# Altium PCB Copy of Motor_Driver_3_Phase.PcbDoc (part 3 of 3)
Units mm, origin at the board's own origin, x right, y up, seen from the top; angles counter-clockwise.
Board outline 253 x 311.5 mm, 4 copper layers (Top Layer, Layer 1, Layer 2, Bottom Layer), stack 0.604 mm thick; 362 components, 245 nets, 1054 pads, 775 vias.
Unrouted connection lines stored in the file: 100.
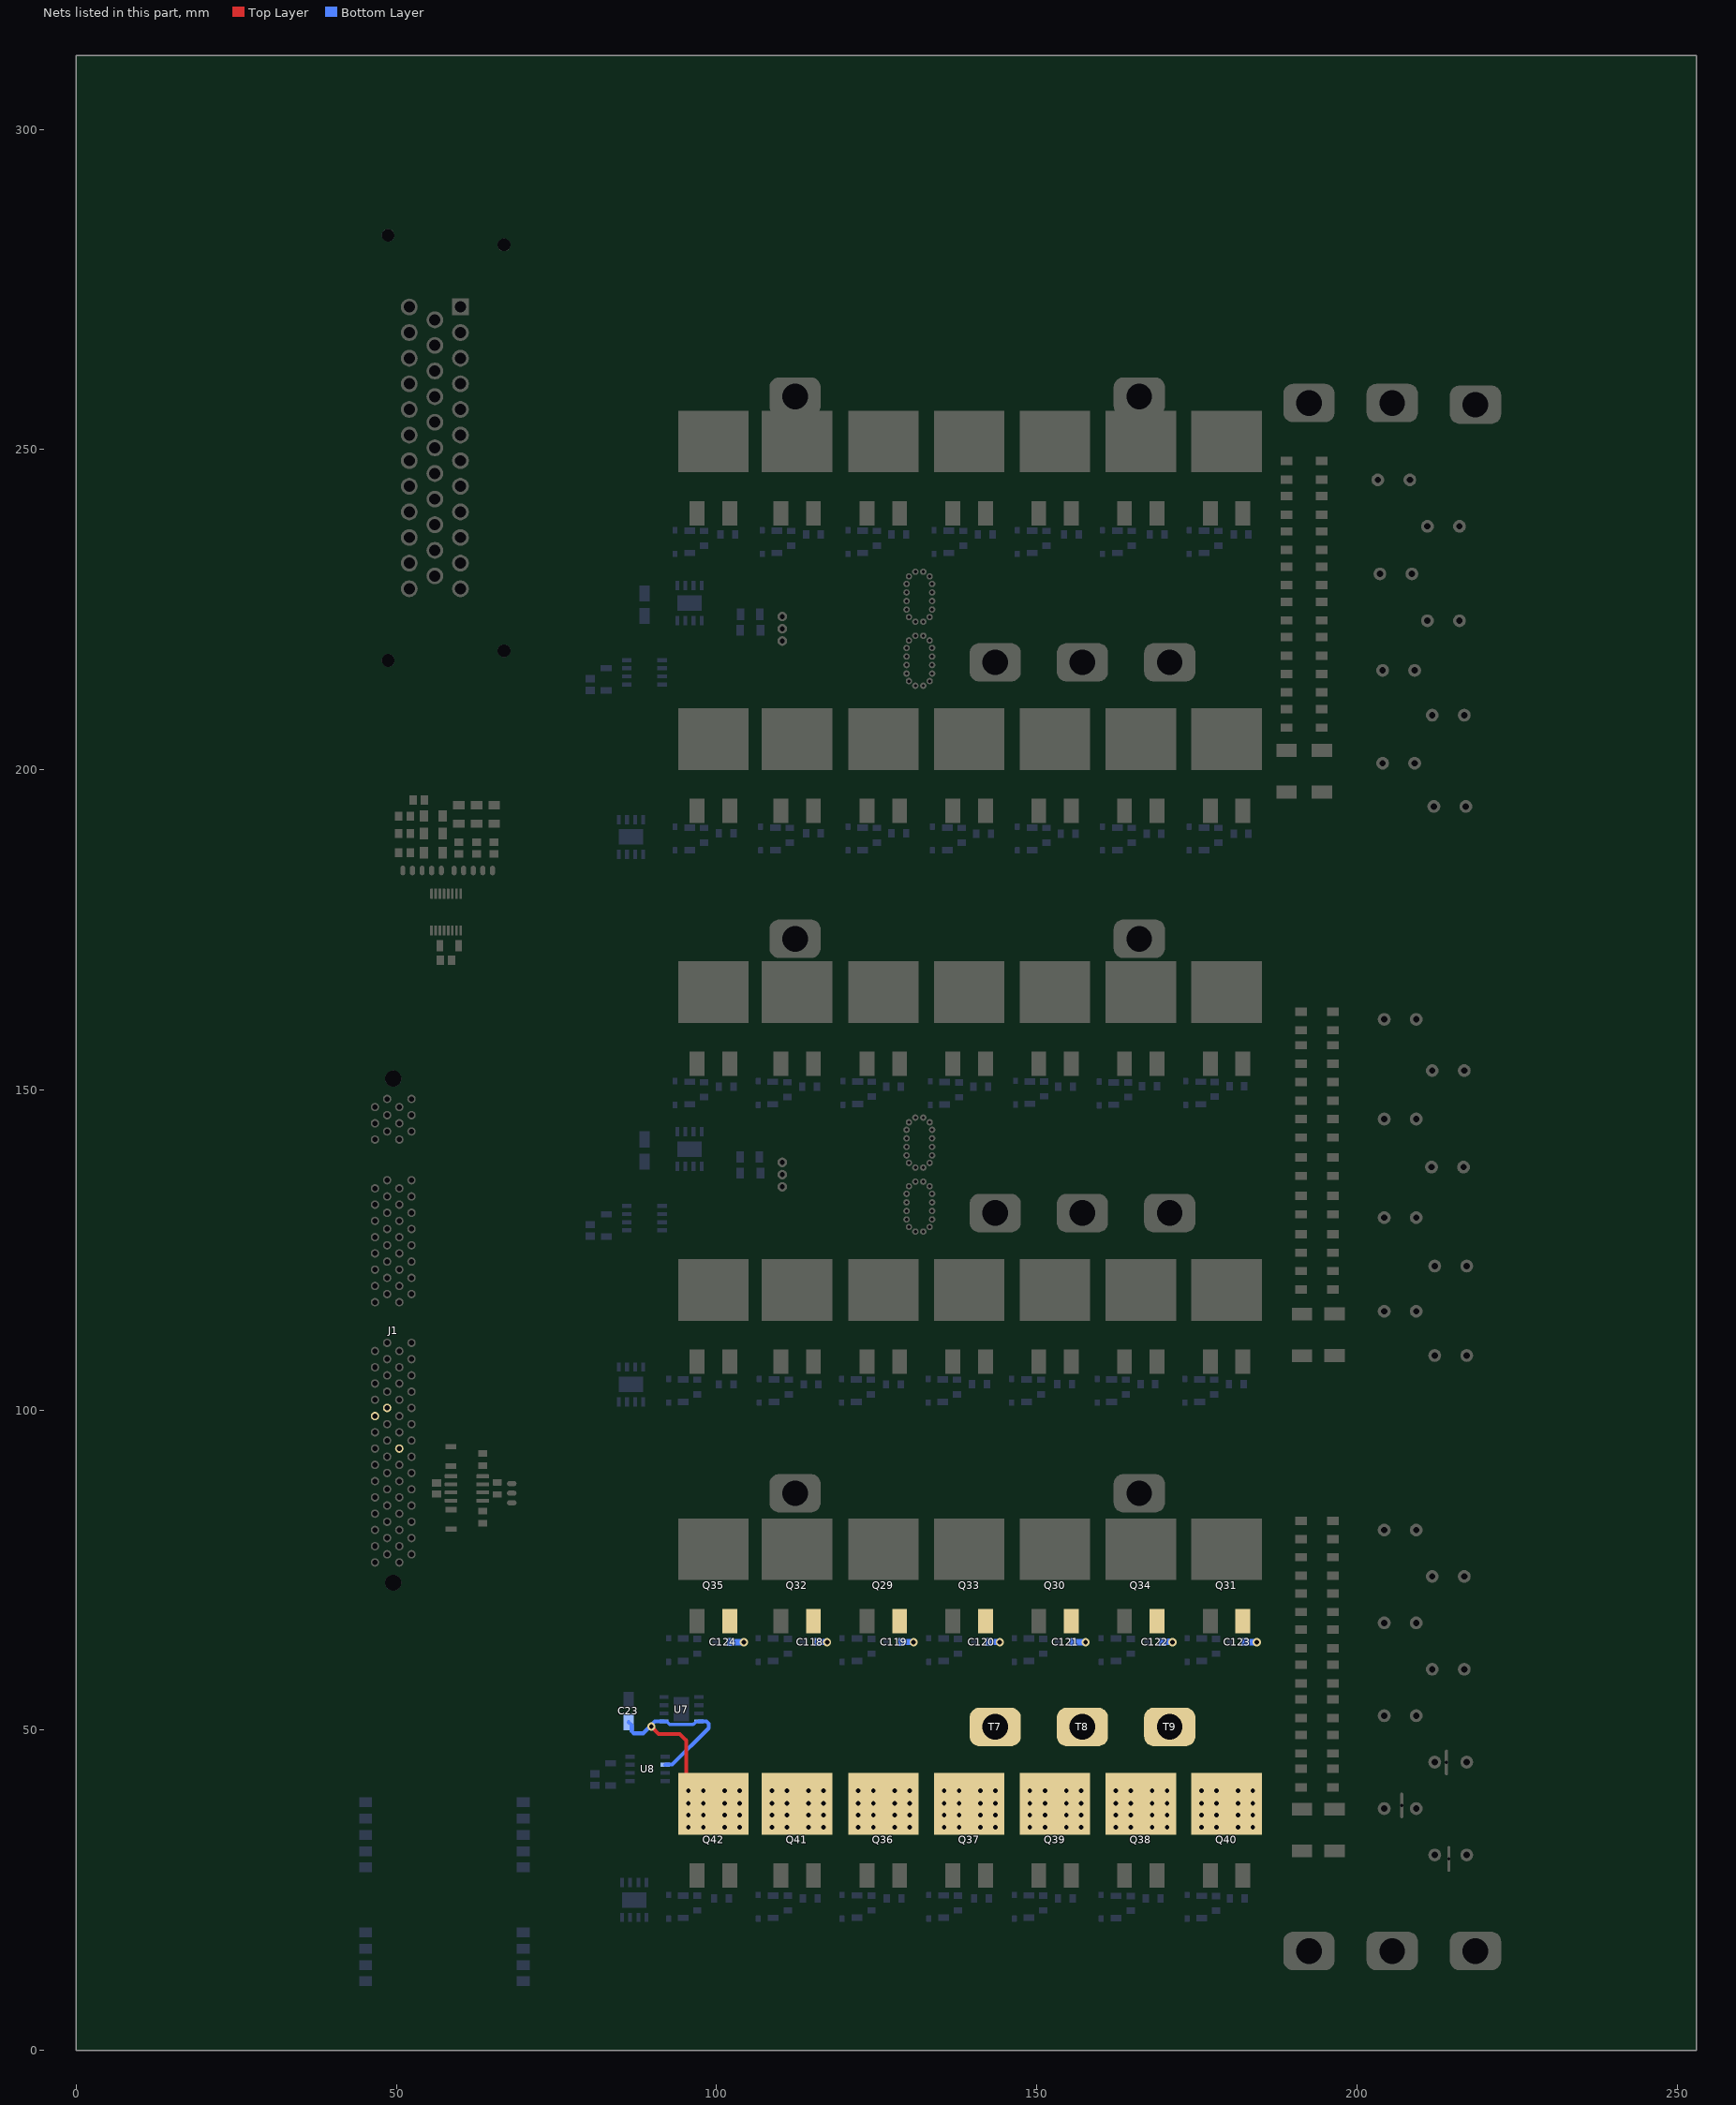
[diagram p5: the nets of this part, all layers, seen from the top]

## Via types
v1: diameter 1.27, hole 0.711, Top Layer to Bottom Layer, 775 vias

## Nets (pads, with @x,y where several pads share a name; then routed paths per layer and width w, separated by ;. In a path a pad name is that pad's centre, name@x,y a point inside that pad or via, vN(x,y) a via of type N, cw(c..) or ccw(c..) an arc to the next point about the centre after c; other vN are vias at no path point) (continued)
Source_3: C23.2 C118.1 C119.1 C120.1 C121.1 C122.1 C123.1 C124.1 Q29.2 Q30.2 Q31.2 Q32.2 Q33.2 Q34.2 Q35.2 Q36.3 Q37.3 Q38.3 Q39.3 Q40.3 Q41.3 Q42.3 T7.1 T8.1 T9.1 U7.4 U7.5 U8.6 | length 52.7
  Top Layer w0.6: v1(89.806,50.559) 90.95,49.415 94.234,49.415 95.25,48.399 95.25,43.029 97.725,40.554 v1(97.925,40.554)
  Bottom Layer w0.5: U7.5@91.775,51.345 92.2,51.345 92.65,50.895 96.35,50.895 U7.4@96.8,51.345
  Bottom Layer w0.6: C23.2@86.238,51.25 86.738,50.75 86.738,49.851 87.09,49.5 88.5,49.5 90.345,51.345 U7.5@91.775,51.345 ; U8.6@91.987,44.585 92.012,44.61 93.05,44.61 98.746,50.307 98.746,50.994 98.395,51.345 U7.4@97.225,51.345
  Bottom Layer w1: C124.1@102.15,63.772 102.15,63.75 v1@104.25,63.75 ; C118.1@115.771,63.772 115.771,63.761 117.239,63.761 v1@117.25,63.75 ; C119.1@128.86,63.772 128.86,63.766 v1@130.748,63.766 ; C120.1@142.506,63.772 142.506,63.775 144.204,63.775 v1@144.207,63.779 ; C121.1@155.597,63.772 155.597,63.73 v1(157.607,63.73) ; C122.1@169.563,63.772 169.563,63.788 171.173,63.788 v1@171.189,63.803 ; C123.1@182.451,63.772 182.451,63.73 v1(184.357,63.73)
  other v1: 95.575,34.854 97.925,34.854 101.275,34.854 103.6,34.854 108.643,34.854 110.993,34.854 114.343,34.854 116.668,34.854 122.119,34.854 124.469,34.854 127.819,34.854 130.144,34.854 135.515,34.854 137.865,34.854 141.215,34.854 143.54,34.854 148.912,34.854 151.262,34.854 154.612,34.854 156.937,34.854 162.309,34.854 164.659,34.854 168.009,34.854 170.334,34.854 175.706,34.854 178.056,34.854 181.406,34.854 183.731,34.854 95.575,36.729 97.925,36.729 101.275,36.729 103.6,36.729 108.643,36.729 110.993,36.729 114.343,36.729 116.668,36.729 122.119,36.729 124.469,36.729 127.819,36.729 130.144,36.729 135.515,36.729 137.865,36.729 141.215,36.729 143.54,36.729 148.912,36.729 151.262,36.729 154.612,36.729 156.937,36.729 162.309,36.729 164.659,36.729 168.009,36.729 170.334,36.729 175.706,36.729 178.056,36.729 181.406,36.729 183.731,36.729 95.575,38.554 97.925,38.554 101.275,38.554 103.6,38.554 108.643,38.554 110.993,38.554 114.343,38.554 116.668,38.554 122.119,38.554 124.469,38.554 127.819,38.554 130.144,38.554 135.515,38.554 137.865,38.554 141.215,38.554 143.54,38.554 148.912,38.554 151.262,38.554 154.612,38.554 156.937,38.554 162.309,38.554 164.659,38.554 168.009,38.554 170.334,38.554 175.706,38.554 178.056,38.554 181.406,38.554 183.731,38.554 95.575,40.554 101.275,40.554 103.6,40.554 108.643,40.554 110.993,40.554 114.343,40.554 116.668,40.554 122.119,40.554 124.469,40.554 127.819,40.554 130.144,40.554 135.515,40.554 137.865,40.554 141.215,40.554 143.54,40.554 148.912,40.554 151.262,40.554 154.612,40.554 156.937,40.554 162.309,40.554 164.659,40.554 168.009,40.554 170.334,40.554 175.706,40.554 178.056,40.554 181.406,40.554 183.731,40.554 104.25,63.73 117.25,63.73 130.748,63.73 144.207,63.73 171.189,63.73
TX_GPIO_29: J1.86
VREFHI-ext: J1.32
VREFLO-ext: J1.31
pads on no net: J1. J1.1 J1.2 J1.3 J1.4 J1.5 J1.6 J1.7 J1.8 J1.9 J1.10 J1.11 J1.12 J1.94 J1.95 J1.96 J1.97 J1.98 J1.99 J1.100 J2. J2.1 J2.2 J2.3 J2.4 J2.5 J2.6 J2.7 J2.8 J2.9 J2.10 J2.11 J2.12 J2.13 J2.14 J2.15 J2.16 J2.17 J2.18 J2.19 J2.20 J2.21 J2.22 J2.23 J2.24 J2.25 J2.26 J2.27 J2.28 J2.29 J2.30 J2.31 J2.32 J2.33 J2.34 J2.35 PS1.1 PS1.2 PS1.3 PS1.4 PS1.5 PS1.9 PS1.10 PS1.11 PS1.12 PS1.13 PS1.14 PS1.15 PS1.16 PS1.20 PS1.21 PS1.22 PS1.23 PS1.24 U1.3 U1.9 U2.3 U2.9 U5.3 U5.8 U5.9 U6.3 U6.8 U6.9 U7.3 U7.9 U9.3 U9.8 U9.9
copper on no net: | length 0.3
  Top Layer w0.8: 136.705,193.75 136.9,193.554

## Polygon pours and split planes (outlines as drawn)
no net on Top Layer "NONET_L01_P244" (solid, pour order 244): 183.383,250 201.75,250 201.75,247.25 183.383,247.25
GND on Top Layer "GND_L01_P008" (solid, pour order 8): 207,245 207,247 222.75,247 222.75,193.864 219.25,191 207.75,200.176 207.75,202.172 215.5,207.5 215.5,208.883 207.75,214.567 207.75,216.654 214.5,222.625 214.5,224.75 213,225.75 207.25,230 207.25,231.368 214.25,237.037 214.25,239.25 207,244.5
A on Top Layer "A_L01_P029" (solid, remove dead copper, pour order 29): 100.774,238.079 100.774,242.018 100.791,242.044 105,242.044 105,237.25 185,237.25 174.439,222.25 114.21,222.25 105.647,229.235 100.774,232.484
GND on Top Layer "GND_L01_P017" (solid, remove dead copper, pour order 17): 222.75,98 207.75,98 207.75,80.85 215.5,75.27 215.5,72.837 207.75,67.52 207.81,65.787 215.625,61.988 215.625,57.975 207.75,52.761 207.75,50.997 215.5,45.988 215.5,43.75 208,38.432 208,36.682 215.5,30.874 215.5,11.75 222.75,11.75
+48V on Top Layer "+48V_L01_P240" (solid, pour order 240): 185.448,82 197.5,82 202.75,82 204.5,82.502 204.5,90.5 93.75,90.5 93.75,73 185.448,73
Source_3 on Top Layer "SOURCE_3_L01_P239" (solid, pour order 239): 180.887,64.828 181.867,64.828 181.867,62.75 181.25,62.75 181.25,58.75 185.486,58.75 185.486,69 180.887,69
Source_3 on Top Layer "SOURCE_3_L01_P238" (solid, pour order 238): 167.5,64.828 168.911,64.828 168.911,62.75 168.25,62.75 168.25,58.75 171.892,58.75 171.892,69 167.5,69
Source_3 on Top Layer "SOURCE_3_L01_P237" (solid, pour order 237): 154,64.828 154.984,64.828 154.984,62.75 154.484,62.75 154.484,58.75 158.392,58.75 158.392,69 154,69
Source_3 on Top Layer "SOURCE_3_L01_P236" (solid, pour order 236): 140.75,64.828 141.734,64.828 141.734,62.75 141.234,62.75 141.234,58.75 145.142,58.75 145.142,69 140.75,69
Source_3 on Top Layer "SOURCE_3_L01_P235" (solid, pour order 235): 127.266,64.918 128.25,64.918 128.25,62.84 127.75,62.84 127.75,58.84 131.658,58.84 131.658,69.09 127.266,69.09
Source_3 on Top Layer "SOURCE_3_L01_P234" (solid, pour order 234): 100.25,64.828 101.548,64.828 101.548,62.75 100.989,62.75 100.989,58.75 104.642,58.75 104.642,69 100.25,69
Source_3 on Top Layer "SOURCE_3_L01_P233" (solid, pour order 233): 113.858,64.828 115.156,64.828 115.156,62.75 114.597,62.75 114.597,58.75 118.25,58.75 118.25,69 113.858,69
Source_3 on Top Layer "SOURCE_3_L01_P231" (solid, pour order 231): 94,33.75 94,43.75 100.983,50.733 100.983,64.25 185.5,64.25 185.5,33 94,33 94,33.25
GND on Top Layer "GND_L01_P051" (solid, remove dead copper, pour order 51): 100.75,24.718 101.34,24.718 101.34,22.75 100.75,22.75 100.75,15.5 104.5,15.5 104.5,29.25 100.75,29.25
GND on Top Layer "GND_L01_P052" (solid, remove dead copper, pour order 52): 113.837,24.713 115.165,24.713 115.165,22.787 114.488,22.787 114.513,16.5 117.783,16.5 117.783,29.254 113.819,29.247
GND on Top Layer "GND_L01_P076" (solid, remove dead copper, pour order 76): 100.739,104.966 102,104.966 102,103 101.403,103 101.403,97.25 104.5,97.25 104.5,109.5 100.739,109.5
+48V on Top Layer "+48V_L01_P203" (solid, pour order 203): 189.75,160.5 189.75,161.5 205.75,161.5 205.75,176.75 186.75,176.75 93.75,176.75 93.75,160.5
+48V on Top Layer "+48V_L01_P184" (solid, pour order 184): 183.383,250 201.75,250 201.75,247.25 183.383,247.25
GND on Top Layer "GND_L01_P179" (solid, pour order 179): 127.435,191.089 129,191.089 129,188.988 128.231,188.988 128.267,185.238 130.25,185.238 130.25,195.488 127.435,195.488
GND on Top Layer "GND_L01_P178" (solid, pour order 178): 114.021,191.13 115.688,191.13 115.688,189 114.98,189 115.017,185.25 116.75,185.25 116.75,195.5 113.978,195.5
B1 on Top Layer "B1_L01_P041" (solid, remove dead copper, pour order 41): 94,114.525 94,124 105,124 114.75,136.25 178,136.25 185.25,126.65 185.25,113.765
GND on Top Layer "GND_L01_P146" (solid, pour order 146): 222.75,194.578 219.25,191.297 219.25,187.75 196.5,187.75 196.5,197.5 187.25,197.5 187.25,195.5 180.97,195.5 180.97,190.968 181.802,190.968 181.802,189.25 181.038,189.25 181.059,185.75 101.5,185.75 101.5,180 222.75,180
+48V on Top Layer "+48V_L01_P183" (solid, pour order 183): 93.75,261.252 222.799,261.247 222.703,250 185.75,250 185.75,246 185.5,246 93.75,246
GND on Top Layer "GND_L01_P182" (solid, pour order 182): 167.513,191.012 168.898,191.012 168.899,189.012 168.065,189.012 168.101,185.262 170.033,185.262 170.033,195.512 167.469,195.512
GND on Top Layer "GND_L01_P181" (solid, pour order 181): 154.033,190.999 155.426,190.999 155.427,189 154.98,189 155.017,185.25 156.589,185.25 156.589,195.5 154,195.5 153.988,195.512
GND on Top Layer "GND_L01_P180" (solid, pour order 180): 140.814,191 142.25,191 142.25,188.944 141.591,188.944 141.628,185.194 143.371,185.194 143.371,195.444 140.782,195.444 140.77,195.455
GND on Top Layer "GND_L01_P177" (solid, pour order 177): 100.922,190.999 102,191 102,189.04 101.5,189.04 101.5,185.25 103.25,185.25 103.25,195.5 103.236,195.486 100.861,195.486
GND on Top Layer "GND_L01_P148" (solid, pour order 148): 222.75,11.75 100.75,11.75 100.75,15.25 100.75,18 181,18 181,22.75 181.75,22.75 181.75,24.715 181,24.715 181,32.25 198.75,32.25 198.75,18.75 222.75,18.75
A on Top Layer "A_L01_P036" (solid, remove dead copper, pour order 36): 167.56,238 169.626,238 169.626,235.75 168.75,235.75 168.75,229.25 171.75,229.25 171.75,242 167.56,242
GND on Top Layer "GND_L01_P079" (solid, pour order 79): 140.591,104.978 141.569,104.978 141.569,103 140.664,103 140.664,97.75 144.529,97.75 144.529,109.5 140.591,109.5
GND on Top Layer "GND_L01_P112" (solid, remove dead copper, pour order 112): 113.768,104.971 115.291,104.971 115.291,103 114.5,103 114.5,97.25 117.75,97.25 117.75,109.614 113.768,109.614
B on Top Layer "B_L01_P046" (solid, remove dead copper, pour order 46): 154.13,151.461 155.13,151.461 155.13,149.5 154.25,149.5 154.25,144.75 158,144.75 158,155.952 154.13,155.952
B on Top Layer "B_L01_P044" (solid, remove dead copper, pour order 44): 128.25,151.481 128.25,149.5 127.75,149.5 127.75,145.25 131.5,145.25 131.5,156 127.351,156 127.362,151.481
B on Top Layer "B_L01_P042" (solid, remove dead copper, pour order 42): 100.653,151.461 100.653,156 104.687,156 104.687,151.461 185.004,151.461 185,145.25 178,137.5 128,137.5 127.5,137.5 114.629,137.5 100.653,146.548
B on Top Layer "B_L01_P043" (solid, remove dead copper, pour order 43): 115,151.467 113.859,151.467 113.859,156 117.75,156 117.75,145 115,145
GND on Top Layer "GND_L01_P013" (solid, remove dead copper, pour order 13): 215.5,101.75 196,101.75 196,93.25 222.75,93.25 222.75,180.5 208,180.5 208,160.562 215.75,154.75 215.75,151.25 212.25,149.25 207.75,146.25 207.75,144.25 210,143 213.355,141.105 215.75,139.752 215.75,136.25 214.044,134.817 210.5,132.5 207.75,130.702 207.75,129.656 215.75,123.5 215.75,120.955 214.569,120.095 208,116.148 208,114.139 210,113.25 215.5,110.25
GND on Top Layer "GND_L01_P147" (solid, pour order 147): 101.5,93.25 101.5,99.25 180.977,99.25 180.948,103 181.677,103 181.677,105.25 180.868,105.25 180.831,110 189.5,110 199,110 199,93.25
A on Top Layer "A_L01_P030" (solid, remove dead copper, pour order 30): 127.376,238 129.041,238 129.041,235.791 128.25,235.791 128.25,231.5 132.25,231.5 132.25,242.25 127.376,242.25
GND on Top Layer "GND_L01_P081" (solid, remove dead copper, pour order 81): 167.362,105 168,105 168,103.168 167.362,103.168 167.362,97.25 171.5,97.25 171.5,109.5 167.362,109.5
GND on Top Layer "GND_L01_P080" (solid, remove dead copper, pour order 80): 154.103,104.972 154.913,104.972 154.913,103 154.25,103 154.25,97.75 158,97.75 158,109.5 154.103,109.5
GND on Top Layer "GND_L01_P078" (solid, remove dead copper, pour order 78): 127.379,104.97 128.155,104.97 128.155,103 127.379,103 127.379,97.5 131,97.5 131,109.5 127.379,109.5
GND on Top Layer "GND_L01_P056" (solid, remove dead copper, pour order 56): 167.5,24.704 169,24.704 169,22.75 168.25,22.75 168.25,17 171.5,17 171.5,29.25 167.5,29.25
GND on Top Layer "GND_L01_P055" (solid, remove dead copper, pour order 55): 154.101,24.703 155,24.703 155,22.667 154.101,22.667 154.101,17.25 157.75,17.25 157.75,29.25 154.101,29.25
GND on Top Layer "GND_L01_P054" (solid, remove dead copper, pour order 54): 140.75,24.713 141.867,24.713 141.867,22.692 141.25,22.692 141.25,16.75 144.75,16.75 144.75,29.25 140.75,29.25
GND on Top Layer "GND_L01_P053" (solid, remove dead copper, pour order 53): 127.396,24.729 128.25,24.729 128.25,22.75 127.5,22.75 127.5,16.059 131.25,16.059 131.25,29.309 127.396,29.309
B on Top Layer "B_L01_P048" (solid, remove dead copper, pour order 48): 180.855,151.5 181.831,151.5 181.831,149.601 181,149.601 181,145.25 185,145.25 185,156 180.855,156
B on Top Layer "B_L01_P047" (solid, remove dead copper, pour order 47): 167.385,151.522 168.176,151.522 168.176,149.5 167.385,149.5 167.385,145.5 171.25,145.5 171.25,156 167.385,156
B on Top Layer "B_L01_P045" (solid, remove dead copper, pour order 45): 140.635,151.451 141.832,151.451 141.832,149.5 141.291,149.5 141.291,144.313 144.75,144.313 144.75,156 140.635,156
A1 on Top Layer "A1_L01_P040" (solid, remove dead copper, pour order 40): 94.5,200.5 94.5,210.75 105.417,210.75 114.167,221.25 174.5,221.25 185,210.75 185,199.25
A on Top Layer "A_L01_P037" (solid, remove dead copper, pour order 37): 180.861,237.75 182.75,237.75 182.75,235.816 182,235.816 182,235.25 185,236.5 185,242 180.861,242
A on Top Layer "A_L01_P035" (solid, remove dead copper, pour order 35): 154.162,238 156.25,238 156.21,235.808 155.5,235.808 155.5,230.505 158.25,230.491 158.25,241.933 154.162,241.933
A on Top Layer "A_L01_P034" (solid, remove dead copper, pour order 34): 140.763,238 142.551,238 142.551,235.798 141.75,235.798 141.75,230 145,230 145,242 140.763,242
A on Top Layer "A_L01_P032" (solid, remove dead copper, pour order 32): 113.86,238.148 115.755,238.148 115.674,235.865 114.75,235.865 114.75,230.25 118.25,230.25 118.25,242 113.86,242
+48V on Top Layer "+48V_L01_P015" (solid, remove dead copper, pour order 15): 201,83 203.977,83 213,74.5 213,73.345 205.5,68.656 205.5,64.85 213,60.35 213,58.627 205.5,54.342 205.5,50.982 213.25,45.688 213.25,44.105 211.711,43.211 205.75,39.409 205.75,36.812 213.25,31.187 213.25,29 201,29
+48V on Top Layer "+48V_L01_P012" (solid, remove dead copper, pour order 12): 200.561,164.75 203.169,164.75 213,154.02 213,152.311 205.75,146.821 205.75,143.127 213.226,138.584 213.315,136.314 205.75,132.392 205.75,127.158 213.448,123.486 213.5,121.5 205.5,117.25 205.5,113.5 213.5,109.091 213.5,107 201.135,107
+48V on Top Layer "+48V_L01_P007" (solid, pour order 7): 199.857,250 212.168,238.477 212.2,237.038 206,231.955 206,229.788 212.524,224.25 212.524,222.354 205.5,217.343 205.5,215.75 205.5,214.5 213,209.25 213,207.75 205.5,202.25 205.5,200 209.75,195.5 213,195.5 213,192.5 199,192.5 199,250
A1 on Bottom Layer "A1_L04_P171" (solid, pour order 171): 133.25,191.651 133.25,191.73 133.25,193.86 134.219,193.86 134.219,193.719 134.219,191.651 139.052,191.651 139.052,190.401 132.888,190.429 132.888,191.651
NetD36_2 on Bottom Layer "NETD36_2_L04_P230" (solid, pour order 230): 91.75,19.75 91.718,19.782 91.718,20.144 93.371,20.144 93.371,19.25 88.25,19.25 86.053,19.25 86.053,21.597 88.216,21.597 88.25,21.563 88.25,19.75
NetD36_2 on Bottom Layer "NETD36_2_L04_P229" (solid, pour order 229): 91.691,21.179 91.7,21.17 176.75,21.17 176.75,20.047 91.718,20.047
NetD42_1 on Bottom Layer "NETD42_1_L04_P227" (solid, pour order 227): 172.911,24.814 172.911,26.661 173,26.75 173.75,26.75 173.75,24.808 173.75,24.814 178.807,24.814 178.807,23.496 178.795,23.484 172.584,23.484 172.573,24.814
NetD41_1 on Bottom Layer "NETD41_1_L04_P226" (solid, pour order 226): 159.55,24.847 159.55,26.76 159.56,26.75 160.5,26.75 160.5,24.839 160.503,24.847 165.462,24.847 165.462,23.538 165.5,23.5 159.25,23.5 159.182,24.858 159.194,24.847
NetD40_1 on Bottom Layer "NETD40_1_L04_P224" (solid, pour order 224): 146,24.846 146,26.761 146.011,26.75 146.75,26.75 146.75,24.876 146.794,24.846 151.837,24.846 151.837,23.559 145.627,23.559 145.6,24.846
NetD37_1 on Bottom Layer "NETD37_1_L04_P223" (solid, pour order 223): 132.672,24.82 132.666,24.826 132.666,26.768 133.482,26.768 133.517,26.733 133.517,24.82 138.51,24.82 138.51,23.51 138.5,23.5 132.25,23.5 132.271,24.834 132.285,24.82
NetD36_1 on Bottom Layer "NETD36_1_L04_P222" (solid, pour order 222): 119.185,24.891 119.185,26.751 119.187,26.75 120,26.75 120,24.884 120.011,24.891 124.998,24.891 124.998,23.502 125,23.5 118.75,23.5 118.719,24.868 118.742,24.891
NetD39_1 on Bottom Layer "NETD39_1_L04_P221" (solid, pour order 221): 106,24.837 106,26.75 106.001,26.751 106.828,26.751 106.828,24.848 106.859,24.837 111.951,24.837 111.951,23.483 105.694,23.483 105.676,24.829 105.685,24.837
NetD38_1 on Bottom Layer "NETD38_1_L04_P220" (solid, pour order 220): 92,24.801 92,26.75 93,26.75 93,24.805 93.003,24.801 97.777,24.801 97.777,23.527 97.75,23.5 97.584,23.666 91.618,23.666 91.618,24.801
NetD29_2 on Bottom Layer "NETD29_2_L04_P218" (solid, pour order 218): 92.045,61.154 176.75,61.349 176.75,60.227 92.036,60.227
NetD35_1 on Bottom Layer "NETD35_1_L04_P217" (solid, pour order 217): 172.961,64.892 172.961,67.209 173.005,67.254 173.856,67.254 173.856,64.894 173.862,64.892 178.81,64.892 178.81,63.69 178.759,63.741 172.517,63.741 172.486,64.653 172.478,64.892
NetD34_1 on Bottom Layer "NETD34_1_L04_P216" (solid, pour order 216): 159.568,64.867 159.568,67.241 160.241,67.241 160.25,67.25 160.259,67.241 160.453,67.241 160.453,64.868 160.458,64.867 165.51,64.867 165.52,64.857 165.51,64.847 165.51,63.574 159.263,63.574 159.253,63.564 159.243,64.867
NetD33_1 on Bottom Layer "NETD33_1_L04_P214" (solid, pour order 214): 146.05,64.843 146.05,67.249 146.08,67.279 146.923,67.279 146.923,64.847 146.931,64.843 151.835,64.843 151.835,63.668 151.813,63.69 145.511,63.69 145.489,64.843
NetD32_1 on Bottom Layer "NETD32_1_L04_P212" (solid, pour order 212): 132.75,64.933 132.729,64.954 132.729,67.262 133.488,67.262 133.506,67.244 133.506,64.933 138.569,64.933 138.569,63.606 138.412,63.763 132.29,63.763 132.319,64.948 132.333,64.933
NetD31_1 on Bottom Layer "NETD31_1_L04_P210" (solid, pour order 210): 119.123,64.869 119.113,64.879 119.113,67.272 119.888,67.272 119.898,67.282 120.002,67.178 120.002,64.869 125.021,64.869 125.021,63.771 125,63.75 124.941,63.809 118.745,63.809 118.745,64.869
NetD30_1 on Bottom Layer "NETD30_1_L04_P209" (solid, pour order 209): 105.983,64.895 105.983,67.25 106.701,67.25 106.701,64.916 106.708,64.895 111.906,64.895 111.906,63.511 105.672,63.511 105.672,64.895
NetD29_1 on Bottom Layer "NETD29_1_L04_P208" (solid, pour order 208): 92.112,64.917 92.112,67.185 92.177,67.25 93,67.25 93,64.937 93.014,64.917 97.777,64.917 97.777,63.527 97.745,63.495 91.757,63.495 91.744,64.917
NetD22_2 on Bottom Layer "NETD22_2_L04_P195" (solid, pour order 195): 91.485,101.676 176.371,101.676 176.371,100.756 92.104,100.756 91.518,100.171
NetD22_2 on Bottom Layer "NETD22_2_L04_P207" (solid, pour order 207): 87.679,99.72 93,99.72 93,100.25 93,100.874 91.5,100.874 91.5,100.25 87.679,100.25 87.656,100.24 87.656,102.082 85.617,102.082 85.607,102.093 85.627,99.72
NetD15_2 on Bottom Layer "NETD15_2_L04_P205" (solid, pour order 205): 94.594,147.25 97,147.25 97,142.651 94.594,142.651
NetD21_1 on Bottom Layer "NETD21_1_L04_P204" (solid, pour order 204): 172.577,151.853 172.577,154.079 172.59,154.102 173.398,154.102 173.398,151.853 178.75,151.853 178.75,150.757 172.261,150.749 172.237,151.853
A1 on Bottom Layer "A1_L04_P170" (solid, pour order 170): 119.853,191.466 119.845,193.438 120.694,193.438 120.701,191.477 125.75,191.542 125.75,190.423 119.5,190.423 119.5,191.461
NetD11_1 on Bottom Layer "NETD11_1_L04_P169" (solid, pour order 169): 106.641,191.543 106.641,193.421 106.651,193.431 107.353,193.431 107.353,191.558 107.378,191.541 107.648,191.541 112.25,191.5 112.295,191.455 112.295,190.337 106.264,190.337 106.239,191.546
NetD28_1 on Bottom Layer "NETD28_1_L04_P201" (solid, pour order 201): 172.896,105.31 172.896,107.272 172.915,107.291 173.614,107.291 173.614,105.312 173.628,105.31 178.526,105.31 178.526,104.276 178.5,104.25 172.259,104.25 172.259,105.301 172.268,105.31
NetD27_1 on Bottom Layer "NETD27_1_L04_P200" (solid, pour order 200): 159.103,105.404 159.103,107.25 159.118,107.264 159.132,107.25 160,107.25 160,105.414 160.004,105.404 164.766,105.404 164.766,104.234 158.565,104.234 158.565,104.685 158.565,105.404
NetD26_1 on Bottom Layer "NETD26_1_L04_P199" (solid, pour order 199): 145.879,105.324 145.879,107.252 145.881,107.25 146.75,107.25 146.75,105.348 146.757,105.324 151.5,105.324 151.5,104.25 145.25,104.25 145.25,105.324
B1 on Bottom Layer "B1_L04_P198" (solid, pour order 198): 132.588,105.416 132.588,107.283 132.593,107.288 133.418,107.288 133.418,105.431 133.413,105.416 138.258,105.415 138.243,104.124 132.277,104.124 132.277,104.277 132.277,105.416
B1 on Bottom Layer "B1_L04_P197" (solid, pour order 197): 119.297,105.325 119.297,107.198 119.297,107.228 119.297,107.25 120.25,107.25 120.25,105.33 124.712,105.325 124.712,104.288 124.723,104.277 118.745,104.277 118.745,105.325
NetD25_1 on Bottom Layer "NETD25_1_L04_P196" (solid, pour order 196): 106.25,105.385 106.25,105.421 106.25,107.25 107.25,107.25 107.246,105.385 111.899,105.385 111.899,104.142 105.976,104.187 105.976,105.385
NetD24_1 on Bottom Layer "NETD24_1_L04_P194" (solid, pour order 194): 92.177,105.25 92.177,107.25 92.935,107.25 92.935,105.25 97.75,105.25 97.75,104.25 91.75,104.25 91.75,105.25
NetD20_1 on Bottom Layer "NETD20_1_L04_P193" (solid, pour order 193): 159.367,151.775 159.367,154.223 159.357,154.232 160.164,154.232 160.164,151.775 164.978,151.775 164.978,150.75 159,150.75 159,151.775
NetD19_1 on Bottom Layer "NETD19_1_L04_P192" (solid, pour order 192): 146.267,151.893 146.267,154.162 147.038,154.162 147.038,151.898 151.887,151.893 151.887,150.725 151.875,150.713 145.963,150.713 145.963,151.893
NetD18_1 on Bottom Layer "NETD18_1_L04_P191" (solid, pour order 191): 133,151.82 133,154.151 134,154.152 134,151.823 133.998,151.807 138.5,151.75 138.5,150.5 132.5,150.5 132.5,151.826
NetD17_1 on Bottom Layer "NETD17_1_L04_P189" (solid, pour order 189): 118.917,151.83 118.917,154 119.825,154 119.825,153.925 119.825,151.83 124.961,151.83 125,151.791 125,150.75 118.739,150.75 118.763,151.83
NetD16_1 on Bottom Layer "NETD16_1_L04_P188" (solid, pour order 188): 105.781,151.837 105.781,154.207 105.824,154.25 106.589,154.25 106.589,151.837 111.818,151.837 111.818,150.635 111.827,150.626 105.5,150.626 105.5,151.837
NetD15_2 on Bottom Layer "NETD15_2_L04_P186" (solid, pour order 186): 93.008,148.029 176.5,148.029 176.5,147 92.993,147
NetD15_1 on Bottom Layer "NETD15_1_L04_P185" (solid, pour order 185): 93.114,152 93.114,154.183 93.916,154.183 93.916,152 98.75,152 98.75,150.575 98.768,150.557 92.75,150.557 92.75,152
NetD8_2 on Bottom Layer "NETD8_2_L04_P175" (solid, pour order 175): 88.135,185.789 92.506,185.789 92.506,187 94,187 94,185 88.135,185 86.133,185 86.123,187.5 88,187.5 88.135,187.504
NetD8_2 on Bottom Layer "NETD8_2_L04_P167" (solid, pour order 167): 92.505,187.848 177,187.845 177,186.751 92.505,186.751
NetD14_1 on Bottom Layer "NETD14_1_L04_P174" (solid, pour order 174): 173.4,191.5 173.4,193.126 173.414,193.141 174.208,193.141 174.208,191.506 174.203,191.5 179,191.5 179,190.406 172.891,190.406 172.891,191.5
NetD13_1 on Bottom Layer "NETD13_1_L04_P173" (solid, pour order 173): 160,191.5 160,193.127 160.015,193.142 160.024,193.133 160.755,193.133 160.755,191.505 160.75,191.5 165.75,191.5 165.75,190.25 159.5,190.25 159.5,191.5
NetD12_1 on Bottom Layer "NETD12_1_L04_P172" (solid, pour order 172): 146.64,191.5 146.64,193 147.459,193 147.459,191.5 152.161,191.5 152.235,191.426 152.252,190.392 146.25,190.392 146.25,191.5
NetD10_1 on Bottom Layer "NETD10_1_L04_P166" (solid, pour order 166): 93.126,191.75 93.117,191.76 93.117,193.382 93.875,193.382 93.88,193.377 93.88,191.75 93.933,191.75 98.75,191.75 98.75,190.339 98.729,190.36 92.516,190.36 92.516,191.75
NetD7_1 on Bottom Layer "NETD7_1_L04_P164" (solid, pour order 164): 173.397,237.879 173.397,239.657 174.24,239.657 174.24,237.878 179.083,237.879 179.083,236.746 173.011,236.746 172.987,237.879
NetD6_1 on Bottom Layer "NETD6_1_L04_P163" (solid, pour order 163): 159.995,237.921 159.995,239.686 159.986,239.695 160.9,239.7 160.9,237.921 165.495,237.921 165.495,236.755 165.478,236.772 159.5,236.772 159.5,237.921
NetD5_1 on Bottom Layer "NETD5_1_L04_P162" (solid, pour order 162): 146.615,237.807 146.615,239.672 147.437,239.672 147.437,237.807 152.175,237.807 152.175,236.825 152.125,236.875 146.088,236.875 146.088,237.807
NetD2_1 on Bottom Layer "NETD2_1_L04_P161" (solid, pour order 161): 106.592,237.829 106.592,239.67 107.403,239.67 107.403,237.838 112.355,237.829 112.389,237.811 112.389,236.767 106.104,236.767 106.113,237.829
NetD4_1 on Bottom Layer "NETD4_1_L04_P160" (solid, pour order 160): 133.388,237.875 133.388,239.774 133.415,239.8 134.241,239.8 134.241,237.885 134.231,237.875 139.229,237.875 139.239,237.885 139.25,237.874 139.25,236.75 132.999,236.75 133.031,237.875
NetD3_1 on Bottom Layer "NETD3_1_L04_P158" (solid, pour order 158): 119.872,237.859 119.874,237.86 119.874,239.649 120.602,239.649 120.626,239.625 120.626,237.859 125.669,237.859 125.669,236.746 125.6,236.815 119.595,236.815 119.595,237.859
NetD1_1 on Bottom Layer "NETD1_1_L04_P156" (solid, pour order 156): 93.25,238 93.25,239.648 94.25,239.648 94.25,238 98.75,238 98.75,236.75 92.75,236.75 92.75,238
NetD1_2 on Bottom Layer "NETD1_2_L04_P154" (solid, pour order 154): 96.75,234.25 177,234.25 177,233.25 96.75,233.25 96.75,228 94.75,228 94.75,232.75 92.75,232.75 92.75,234.337 96.75,234.337
GND on Bottom Layer "GND_L04_P023" (solid, remove dead copper, pour order 23): 219,82.75 208,82.75 208,80.58 215.5,76.027 215.5,72.75 208,67.605 208,65.642 215.5,62.094 215.5,58.25 207.75,52.911 207.75,51.135 208.306,50.899 215.5,46.25 215.5,43.706 207.75,38.418 207.75,36.75 215.5,32.664 215.5,29 219,29
+48V on Bottom Layer "+48V_L04_P022" (solid, remove dead copper, pour order 22): 202,83 203.977,83 213,74.75 213,73 205.75,68.5 205.75,65.25 209.5,63 213.25,60.503 213.25,58.5 211.5,57.5 205.75,54 205.75,50.893 207.25,49.868 213.5,46 213.5,44.25 211.711,43.211 205.75,39.409 205.75,36.937 213.5,31.125 213.5,29 202,29
GND on Bottom Layer "GND_L04_P021" (solid, remove dead copper, pour order 21): 219.133,162.5 207.75,162.5 207.75,160.397 215.75,154.75 215.75,151.25 212.25,149.25 207.75,146.25 207.75,144.25 210,143 213.355,141.105 215.75,139.752 215.75,136.25 214.044,134.817 210.5,132.5 207.75,130.702 207.75,129.5 210,127.75 212.75,125.702 213.657,125.108 215,124.25 215.75,123.5 215.75,121.5 213,119.5 210,117.5 207.75,116.25 207.75,114.25 210,113.25 215.5,110.25 215.5,107 216,107 219.363,107
+48V on Bottom Layer "+48V_L04_P020" (solid, remove dead copper, pour order 20): 201.48,165.25 201.787,165.25 213,153.73 213,151.58 207.75,148 205.5,146.75 205.5,143.75 213.284,138.647 213.284,136.962 205.5,132 205.5,127.5 213.284,123.483 213.284,121.338 205.5,117.309 205.5,113.004 213.284,109.25 213.284,107 202.5,107 202.25,107.25
GND on Bottom Layer "GND_L04_P019" (solid, remove dead copper, pour order 19): 207.224,245.017 207.224,246.767 207.474,247.017 221.224,247.017 221.224,192.267 220.974,192.017 218.28,192.017 208.013,200.148 207.974,202.189 215.724,207.517 215.724,209.333 207.974,215.017 207.974,216.131 214.724,222.102 214.724,224.767 213.224,225.767 207.474,230.017 207.474,231.017 212.974,236.517 212.974,239.017 207.474,244.517
+48V on Bottom Layer "+48V_L04_P018" (solid, remove dead copper, pour order 18): 200.373,250 212.412,238.731 212.45,237.038 206.25,231.955 206.25,229.788 212.774,224.25 212.774,222.354 205.75,217.343 205.75,215.75 205.75,214.5 213.25,209.25 213.25,207.75 205.75,202.25 205.75,200 210,195.5 213.25,195.5 213.25,192.5 199.25,192.5 199.25,250
+48V on Layer 1 "+48V_L02_P252" (solid, remove dead copper, pour order 252): 201,83 203.977,83 213,74.5 213,73.345 205.5,68.656 205.5,64.85 213,60.35 213,58.627 205.5,54.342 205.5,50.982 213.25,45.688 213.25,44.105 211.711,43.211 205.75,39.409 205.75,36.812 213.25,31.187 213.25,29 201,29
+48V on Layer 1 "+48V_L02_P251" (solid, pour order 251): 185.448,82 197.5,82 202.75,82 204.5,82.502 204.5,90.5 93.75,90.5 93.75,73 185.448,73
+48V on Layer 1 "+48V_L02_P250" (solid, remove dead copper, pour order 250): 200.561,164.75 203.169,164.75 213,154.02 213,152.311 205.75,146.821 205.75,143.127 213.226,138.584 213.315,136.314 205.75,132.392 205.75,127.158 213.448,123.486 213.5,121.5 205.5,117.25 205.5,113.5 213.5,109.091 213.5,84 201.363,84
+48V on Layer 1 "+48V_L02_P247" (solid, pour order 247): 189.75,160.5 189.75,161.5 205.75,161.5 205.75,176.75 186.75,176.75 93.75,176.75 93.75,160.5
+48V on Layer 1 "+48V_L02_P243" (solid, pour order 243): 183.383,250 201.75,250 201.75,247.25 183.383,247.25
+48V on Layer 1 "+48V_L02_P242" (solid, pour order 242): 199.857,250 212.168,238.477 212.2,237.038 206,231.955 206,229.788 212.524,224.25 212.524,222.354 205.5,217.343 205.5,215.75 205.5,214.5 213,209.25 213,207.75 205.5,202.25 205.5,200 209.75,195.5 213,195.5 213,163.25 199,163.25 199,250
+48V on Layer 1 "+48V_L02_P241" (solid, pour order 241): 93.75,261.252 222.799,261.247 222.703,250 185.75,250 185.75,246 185.5,246 93.75,246
GND on Layer 2 "GND_L03_P254" (solid, pour order 254): 207,245 207,247 222.75,247 222.75,193.864 219.25,191 207.75,200.176 207.75,202.172 215.5,207.5 215.5,208.883 207.75,214.567 207.75,216.654 214.5,222.625 214.5,224.75 213,225.75 207.25,230 207.25,231.368 214.25,237.037 214.25,239.25 207,244.5

## Other copper
Top Layer:
  rectangle net NetC19_1: 195.53,156.379 197.046,160
  rectangle net NetC81_1: 190.439,114.826 192.045,119.071
  rectangle net NetC79_1: 190.474,120.97 192.063,124.605
  rectangle net NetC33_1: 190.44,127.149 192.021,131.002
  rectangle net NetC29_1: 190.446,133.246 192.023,136.863
  rectangle net NetC27_1: 190.505,139.305 192.005,143.055
  rectangle net NetC24_1: 190.56,144.968 192.06,148.468
  rectangle net NetC20_1: 190.523,151.064 192.023,154.314
  rectangle net NetC18_1: 190.576,156.22 192.076,159.97
  rectangle net NetC77_1: 188.07,202.607 189.82,207.107
  rectangle net NetC75_1: 188.25,209 189.75,212.25
  rectangle net NetC16_1: 188.25,214.5 189.75,218
  rectangle net NetC12_1: 188.25,220.25 189.75,223.5
  rectangle net NetC10_1: 188.25,225.75 189.75,229
  rectangle net NetC6_1: 188.25,231.25 189.75,234.5
  rectangle net NetC3_1: 188.25,236.75 189.75,240
  rectangle net NetC1_1: 188.25,242.25 189.75,245.5
  rectangle net NetC86_1: 195.38,37.25 197.138,41.5
  rectangle net NetC84_1: 195.53,43.75 196.78,46.75
  rectangle net NetC51_1: 195.53,48.75 196.78,52.25
  rectangle net NetC47_1: 195.53,54.5 196.78,57.5
  rectangle net NetC45_1: 195.53,59.75 196.78,63.25
  rectangle net NetC43_1: 195.53,65.25 196.78,68.75
  rectangle net NetC38_1: 195.53,71 196.78,74.5
  rectangle net NetC36_1: 195.53,76.75 196.78,80.25
  rectangle net NetC85_1: 190.372,37.5 192.134,41.5
  rectangle net NetC83_1: 190.576,43.5 192.076,46.75
  rectangle net NetC50_1: 190.576,49 192.076,52.25
  rectangle net NetC46_1: 190.576,54.5 192.076,57.75
  rectangle net NetC44_1: 190.576,59.75 192.076,63.25
  rectangle net NetC42_1: 190.576,65.25 192.076,68.75
  rectangle net NetC37_1: 190.576,71 192.076,74.5
  rectangle net NetC35_1: 190.576,76.75 192.076,80.25
  rectangle net NetC82_1: 195.53,115 197.03,119.25
  rectangle net NetC80_1: 195.53,121.5 197.03,124.75
  rectangle net NetC34_1: 195.53,126.75 197.03,130.75
  rectangle net NetC30_1: 195.53,133 197.03,136.5
  rectangle net NetC28_1: 195.53,138.9 196.935,142.75
  rectangle net NetC25_1: 195.53,144.868 196.991,148.5
  rectangle net NetC21_1: 195.53,151.033 197.027,154.25
  rectangle net NetC78_1: 193.655,202.562 195.405,206.812
  rectangle net NetC76_1: 193.667,209.167 195.372,212.25
  rectangle net NetC17_1: 193.75,214.5 195.25,218
  rectangle net NetC13_1: 193.75,220.25 195.25,223.5
  rectangle net NetC11_1: 193.75,225.75 195.25,229
  rectangle net NetC7_1: 193.75,231.25 195.25,234.25
  rectangle net NetC4_1: 193.75,236.75 195.25,240
  rectangle net NetC2_1: 193.75,242.25 195.25,245.5
Bottom Layer:
  rectangle net GND: 79.762,211.854 83.465,212.855
  rectangle net IFBA: 103.186,221.75 104.25,224.395
  rectangle net A1: 129,212.5 134.25,221.5
  rectangle net A: 129,222.5 134.25,231.5